# Altium PCB LimePSB-RPCM_1v3.PcbDoc (part 3 of 10) (continued)
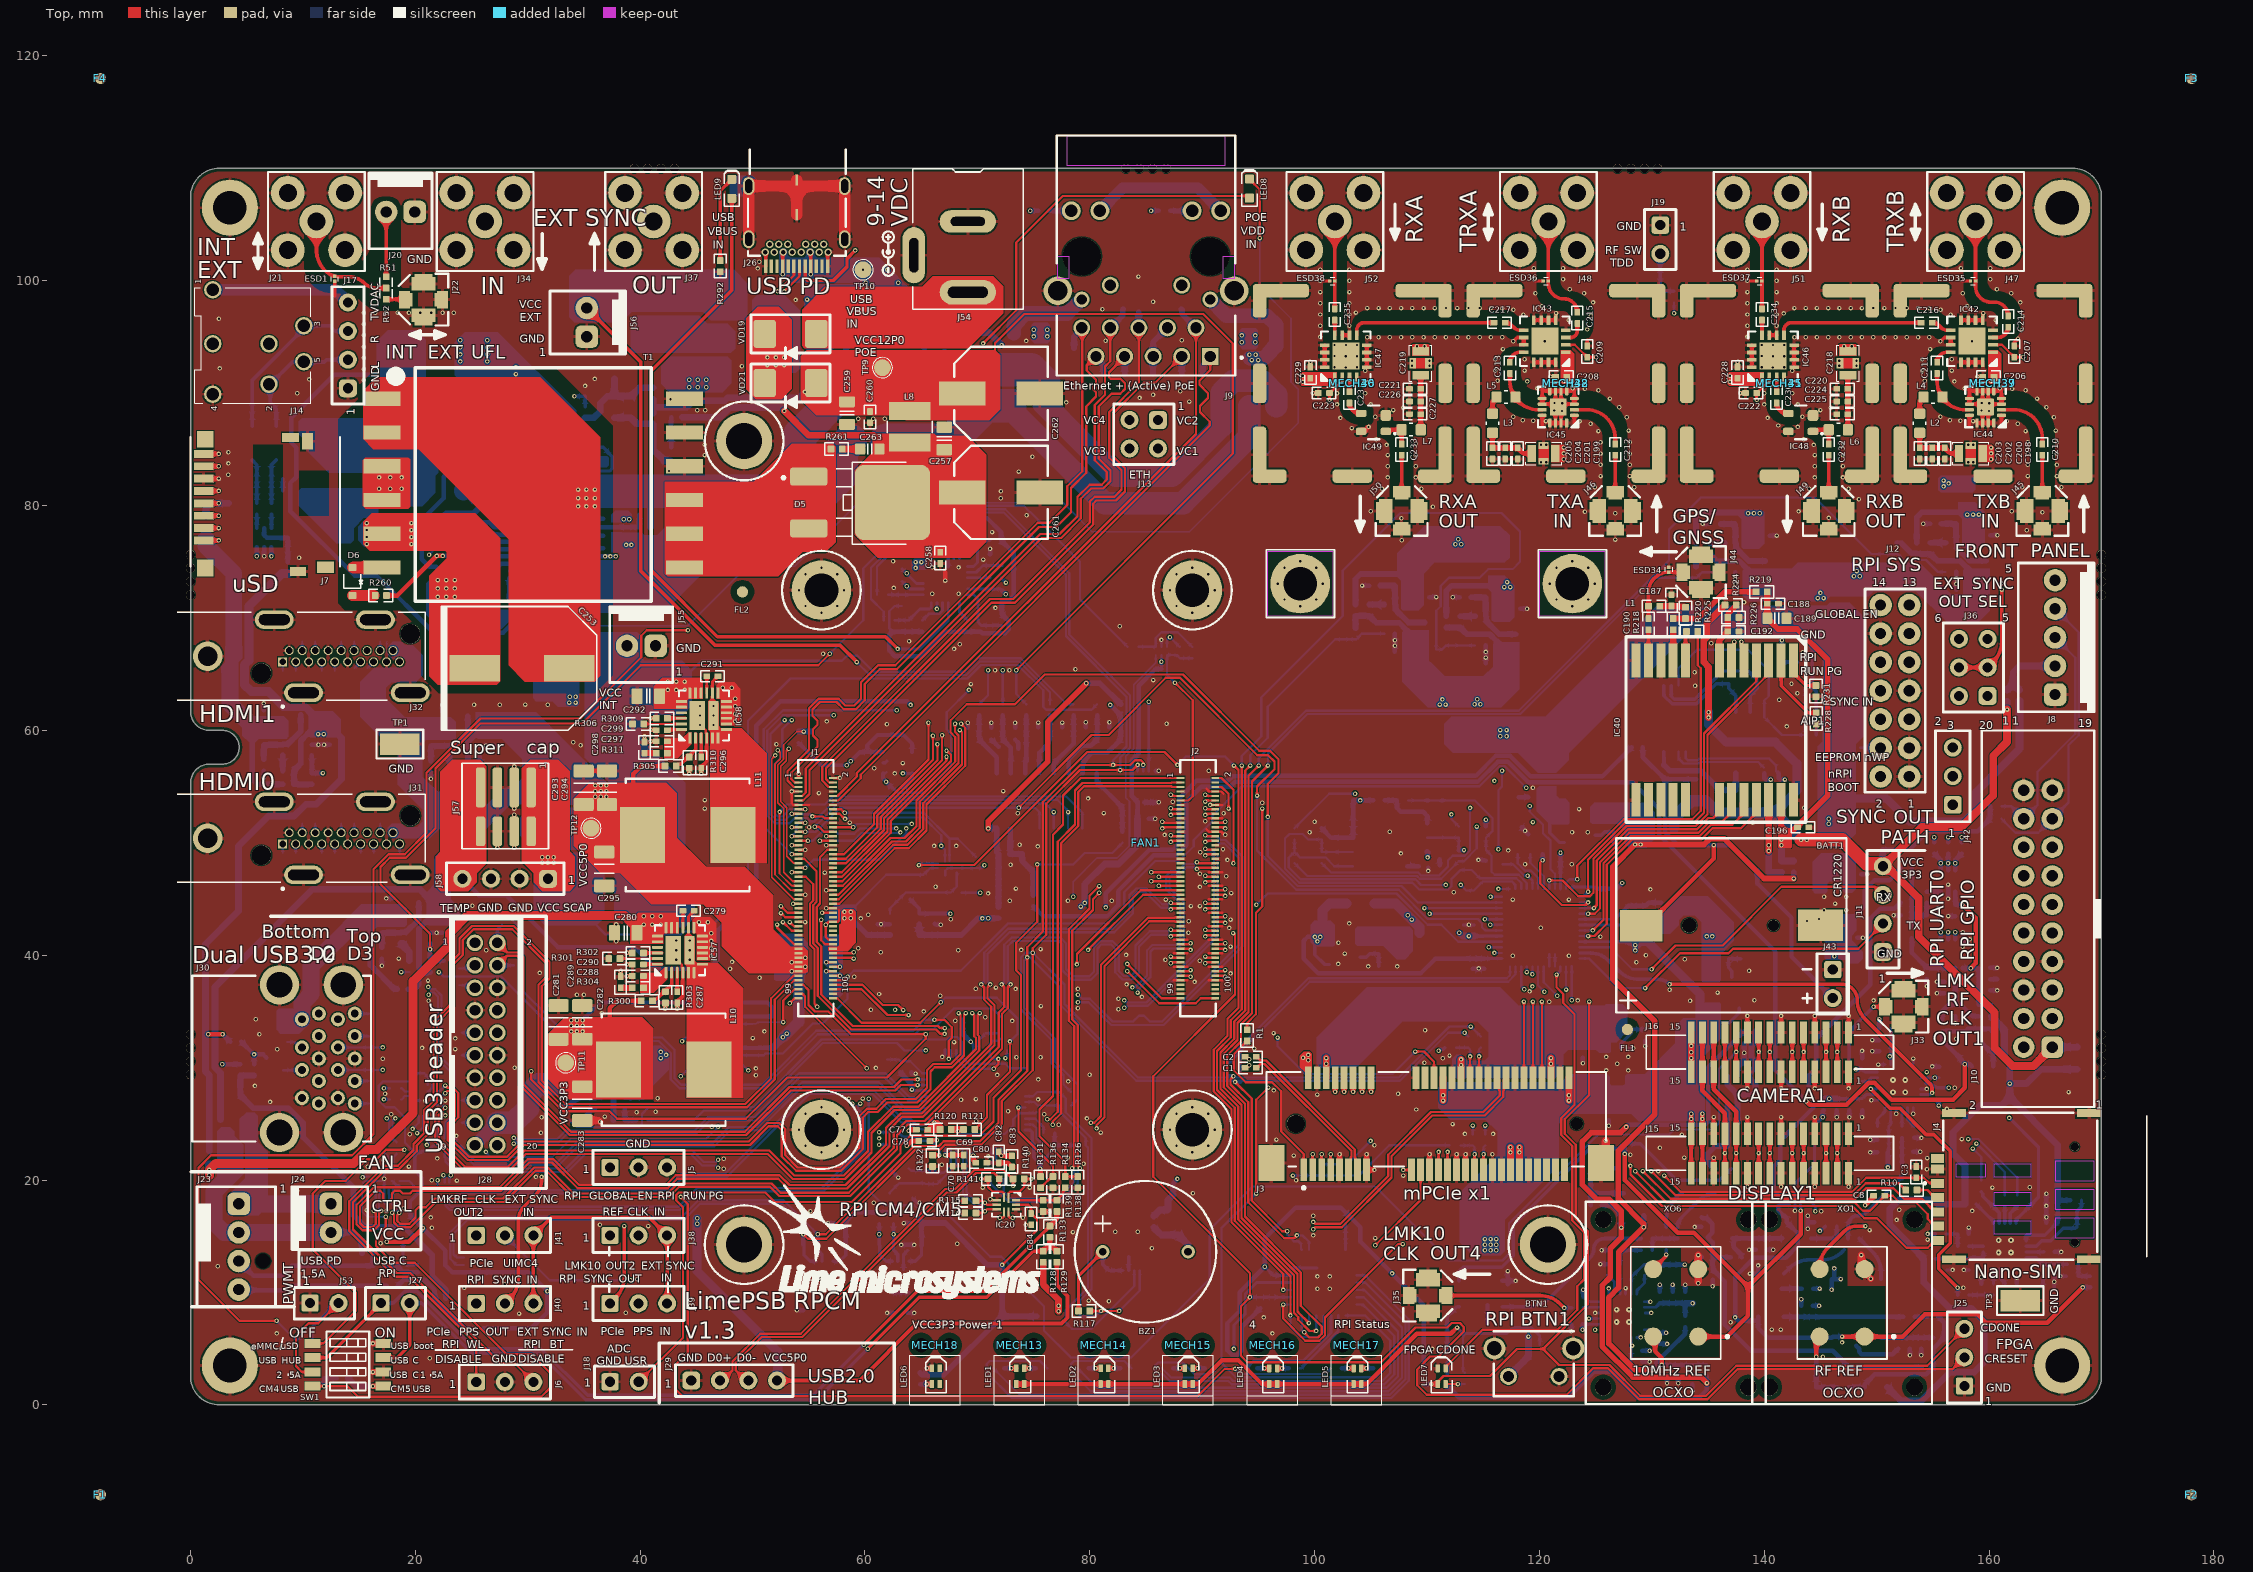
[diagram p0: Top view]
## Part data (continued)
IC21: library part 24FC64F, Case/Package=SOIC, Frequency=400kHz, Manufacturer=STMicroelectronics, Manufacturer Part Number 1=M24C02-RMN6TP, Max Operating Temperature=85°C, Max Supply Voltage=5.5V, Min Operating Temperature=-40°C, Min Supply Voltage=1.8V, Nominal Supply Current=800uA, Package Quantity=1, Supplier Part Number 1=497-8633-1-ND, Access Time=900ns, Access Time-Max=900ns, Assembly Info=NF, ComponentLink1Description=http://www.onsemi.com/pub/Collateral/CAT24C128-D.PDF, ComponentLink1URL=http://www.onsemi.com/pub/Collateral/CAT24C128-D.PDF, ComponentLink2Description=https://datasheet.ciiva.com/41455/001186000-da-01-en-ic-eeprom-2kbit-m24c02-rmn6tp-soic-8-stm-41455162.pdf?src-supplier=Conrad, ComponentLink2URL=https://datasheet.ciiva.com/41455/001186000-da-01-en-ic-eeprom-2kbit-m24c02-rmn6tp-soic-8-stm-41455162.pdf?src-supplier=Conrad, Contact Plating=Gold, Density=2Kb, Height=1.25mm, Interface=I2C,Serial,2-Wire, Lead Free="Lead Free", Length=4.9mm, Max Frequency=400kHz, Memory Size=2Kb, Memory Type=EEPROM, Mount="Surface Mount", Number of Pins=8, Organization=256X8, Packaging="Tape and Reel", Part Description="IC EEPROM 2KBIT I2C 400KHZ 8SOIC", Pricing 1="1=0,17000, 10=0,16400, 25=0,15200, 50=0,15140, 100=0,13440, 250=0,13272, 500=0,13070, 1000=0,12721 (USD)", Programming Voltage=5.5V, Radiation Hardening=No, Reach SVHC Compliant=Yes, RoHS=Yes, RoHS Compliant=Yes, Series=-, Stock 1=84403, Supplier 1=Digi-Key, Supply Current=800uA, Supply Voltage-Nom=5.5V, Width=3.9mm, Write Cycle Time-Max (tWC)=5ms, Write Protection=YES
IC22: library part M24128-DFMC6TG, Manufacturer=Microchip, Manufacturer Part Number 1=AT24C02C-MAHM-E, Supplier Part Number 1=AT24C02C-MAHM-ECT-ND, Assembly Info=NF, ComponentLink1Description=http://www.st.com/content/ccc/resource/technical/document/datasheet/59/05/c9/5b/7b/41/48/b6/CD00259167.pdf/files/CD00259167.pdf/jcr:content/translations/en.CD00259167.pdf, ComponentLink1URL=http://www.st.com/content/ccc/resource/technical/document/datasheet/59/05/c9/5b/7b/41/48/b6/CD00259167.pdf/files/CD00259167.pdf/jcr:content/translations/en.CD00259167.pdf, ComponentLink2Description=http://www.microchip.com/mymicrochip/filehandler.aspx?ddocname=en590438&src-supplier=Digi-Key, ComponentLink2URL=http://www.microchip.com/mymicrochip/filehandler.aspx?ddocname=en590438&src-supplier=Digi-Key, Part Description="IC EEPROM 2KBIT I2C 1MHZ 8UDFN", Pricing 1="1=0,28000 (USD)", RoHS=No, RoHS Compliant=No, Stock 1=14438, Supplier 1=Digi-Key
IC28 IC29: library part FUSB340TMX_USB_switch, Manufacturer="ON Semiconductor / Fairchild", Max Operating Temperature=85°C, Max Supply Voltage=5V, Min Operating Temperature=-40°C, Min Supply Voltage=1.5V, Nominal Supply Current=12uA, Supplier Part Number 1=FUSB340TMXCT-ND, ComponentLink1Description=http://www.farnell.com/datasheets/2313412.pdf?src-supplier=Farnell, ComponentLink1URL=http://www.farnell.com/datasheets/2313412.pdf?src-supplier=Farnell, ComponentLink2Description=http://www.farnell.com/datasheets/2313412.pdf?src-supplier=Newark, ComponentLink2URL=http://www.farnell.com/datasheets/2313412.pdf?src-supplier=Newark, ComponentLink3Description=https://datasheet.octopart.com/FUSB340TMX-ON-Semiconductor-datasheet-85553255.pdf?src-supplier=Farnell, ComponentLink3URL=https://datasheet.octopart.com/FUSB340TMX-ON-Semiconductor-datasheet-85553255.pdf?src-supplier=Farnell, ComponentLink4Description=https://datasheet.octopart.com/FUSB340TMX-ON-Semiconductor-datasheet-46935021.pdf?src-supplier=Future+Electronics, ComponentLink4URL=https://datasheet.octopart.com/FUSB340TMX-ON-Semiconductor-datasheet-46935021.pdf?src-supplier=Future+Electronics, ComponentLink5Description=https://www.fairchildsemi.com/Assets/-Featured-Collateral/Datasheet-Briefs/FUSB340_PB_Final.pdf?src-supplier=Avnet, ComponentLink5URL=https://www.fairchildsemi.com/Assets/-Featured-Collateral/Datasheet-Briefs/FUSB340_PB_Final.pdf?src-supplier=Avnet, Data Rate=10Gbps, Height=400um, Interface=USB, Manufacturer Part Number 1=FUSB340TMX, Mount="Surface Mount", Number of Pins=18, Number of Switches=4, Operating Supply Current=12uA, Packaging="Cut Tape", Part Description="USB Switch USB 3.1 USB Interface 18-TMLP (2x2.8)", Pricing 1="1=1,15, 10=1,026, 25=0,9744, 100=0,7481, 250=0,66108, 500=0,6263, 1000=0,48712, 2500=0,46277 (USD)", RoHS=Yes, RoHS Compliant=Yes, Series=-, Stock 1=7942, Supplier 1=Digikey, Weight=0.0065g
IC30 IC36: Frequency - Max=200MHz, Manufacturer="Texas Instruments", Manufacturer Part Number 1=LMK00105SQ/NOPB, Operating Temperature="-40°C ~ 85°C", Package / Case="24-WFQFN Exposed Pad", Supplier Device Package="24-WQFN (4x4)", Supplier Part Number 1=LMK00105SQ/NOPBCT-ND, Voltage - Supply="2.375 V ~ 3.45 V", Category="Integrated Circuits (ICs)", Differential - Input:Output=Yes/No, Input="HCSL, LVCMOS, LVDS, LVPECL, LVTTL, SSTL, Crystal", Part Description="IC CLK BUFFER 2:5 200MHZ 24WQFN", Supplier 1=Digi-Key, Type="Fanout Buffer (Distribution), Multiplexer, Translator"
IC31 IC37: library part LP5907, Case/Package=SOT-23-5, Dropout Voltage=50mV, Manufacturer="Texas Instruments", Manufacturer Part Number 1=LP5907QMFX-3.0Q1, Max Input Voltage=5.5V, Max Operating Temperature=125°C, Max Output Current=250mA, Min Input Voltage=2.2V, Min Operating Temperature=-40°C, Output Voltage=3V, Quiescent Current=425uA, Supplier Part Number 1=296-40364-1-ND, Accuracy=2%, Assembly Info=NF, ComponentLink1Description=https://datasheet.ciiva.com/48677/lp5907-q1-48677562.pdf?src-supplier=Avnet, ComponentLink1URL=https://datasheet.ciiva.com/48677/lp5907-q1-48677562.pdf?src-supplier=Avnet, Lead Free="Lead Free", Mount="Surface Mount", Number of Outputs=1, Number of Regulators=1, Output Current=250mA, Output Type=Fixed, Packaging="Tape and Reel", Part Description="Linear Voltage Regulator IC Positive Fixed 1 Output  250mA SOT-23-5", Polarity=Positive, Pricing 1="1 = 0,65000, 10 = 0,56000, 100 = 0,41820, 500 = 0,32858, 1000 = 0,25390 (USD)", Radiation Hardening=No, RoHS=Yes, Stock 1=90911, Supplier 1=Digi-Key
IC33: Manufacturer="Analog Devices Inc.", Manufacturer Part Number 1=AD5662BRJZ-2REEL7, Operating Temperature="-40°C ~ 125°C", Package / Case=SOT-23-8, Supplier Part Number 1=AD5662BRJZ-2REEL7CT-ND, Voltage - Supply, Analog="2.7 V ~ 5.5 V", Architecture="String DAC", Category="Integrated Circuits (ICs)", ComponentLink1Description=http://www.analog.com/media/en/technical-documentation/data-sheets/AD5662.pdf, ComponentLink1URL=http://www.analog.com/media/en/technical-documentation/data-sheets/AD5662.pdf, Data Interface="SPI, DSP", Differential Output=No, INL/DNL (LSB)="±8, ±1 (Max)", Number of Bits=16, Number of D/A Converters=1, Output Type="Voltage - Buffered", Packaging="Cut Tape (CT)", Part Description="IC DAC 16BIT BUFF V-OUT SOT23-8", Part Status=Active, Pricing 1="1=7.55, 10=6.821, 100=5.6469, 500=4.91722, 1000=4.28274 (USD)", Reference Type=External, RoHS="RoHS Compliant", Settling Time=10µs, Stock 1=2784, Supplier 1=Digi-Key, Supplier Device Package=SOT-23-8, Voltage - Supply, Digital="2.7 V ~ 5.5 V"
IC34: Manufacturer="Analog Devices Inc", Manufacturer Part Number 1=ADF4002BCPZ-RL7, Operating Temperature="-40°C ~ 85°C", Package / Case="20-VFQFN Exposed Pad, CSP", Supplier Part Number 1=ADF4002BCPZ-RL7CT-ND, Voltage - Supply="2.7 V ~ 3.3 V", Category="Integrated Circuits (ICs)", Differential - Input:Output=Yes/No, Input="CMOS, TTL", Mounting Type="Surface Mount", Part Description="IC PLL FREQUENCY SYNTH 20-LFCSP", Ratio - Input:Output=2:1, Supplier=Digi-Key, Supplier 1=Digi-Key, Type="Clock/Frequency Synthesizer (RF), Phase Detector"
IC35: "Single 8-Bit nanoDAC with SPI Interface in LFCSP and SC70, 2.7 to 5.5 V, <100 uA, -40 to +125 degC, KS-6, Pb-Free, Reel", Generic Part Number=AD5601, Manufacturer="Analog Devices", Supplier Part Number 1=AD5601BKSZ-REEL7TR-ND, # DAC Outputs=1, Assembly Info=NF, Code_JEDEC=MO-203-AB, ComponentLink1Description="Manufacturer URL", ComponentLink1URL=http://www.analog.com/en/index.html, ComponentLink2Description=Datasheet, ComponentLink2URL=http://www.analog.com/static/imported-files/data_sheets/AD5601_5611_5621.pdf, ComponentLink3Description="Package Specification", ComponentLink3URL=http://www.analog.com/static/imported-files/packages/PKG_PDF/SC70(KS)/KS_6.pdf, ComponentLink4Description="Product URL", ComponentLink4URL=http://www.analog.com/en/digital-to-analog-converters/da-converters/ad5601/products/product.html, DatasheetVersion=Rev.F, Manufacturer Part Number 1=AD5601BKSZ-REEL7, Max V+=5.5V, Mounting Technology="Surface Mount", Op Pwr Diss=550µW, PackageDescription="6-Lead Thin Shrink Small Outline Transistor Package [SC70]", PackageReference=KS-6, PackageVersion=072809-A, Packing=Reel, Part Description="IC DAC 8BIT BUFF V-OUT SC70-6", PartNumber=AD5601BKSZ-REEL7, Resolution (Bits)=8, RoHS=Y, Settling Time=6µs, Single Supply=Yes, Supplier 1=Digi-Key, Supplier 2=Digi-Key, Supplier 3=Digi-Key, Supplier 4=Farnell, Supplier 5=Newark, Supplier 6=Newark, Supplier 7=Mouser, Supplier Part Number 2=AD5601BKSZ-REEL7CT-ND, Supplier Part Number 3=AD5601BKSZ-REEL7DKR-ND, Supplier Part Number 4=2312971, Supplier Part Number 5=59K4256, Supplier Part Number 6=67W3160, Supplier Part Number 7=584-AD5601BKSZ-R7
IC38 IC41: Case/Package=SOT-23-6, Manufacturer="Texas Instruments", Manufacturer Part Number 1=SN74AXC1T45DBVR, Max Operating Temperature=125°C, Min Operating Temperature=-40°C, Supplier Part Number 1=296-47598-1-ND, Assembly Info=NF, Channel Type=Bidirectional, ComponentLink1Description=http://www.ti.com/lit/ds/symlink/sn74axc1t45.pdf?src-supplier=Digi-Key, ComponentLink1URL=http://www.ti.com/lit/ds/symlink/sn74axc1t45.pdf?src-supplier=Digi-Key, ComponentLink2Description=http://www.ti.com/general/docs/suppproductinfo.tsp?distId=10&amp;gotoUrl=http%3A%2F%2Fwww.ti.com%2Flit%2Fgpn%2Fsn74axc1t45&src-supplier=Digi-Key, ComponentLink2URL=http://www.ti.com/general/docs/suppproductinfo.tsp?distId=10&amp;gotoUrl=http%3A%2F%2Fwww.ti.com%2Flit%2Fgpn%2Fsn74axc1t45&src-supplier=Digi-Key, Data Rate=500Mbps, Mount="Surface Mount", Number of Bits=1, Number of Circuits=1, Packaging="Cut Tape", Part Description="Voltage Level Translator Bidirectional 1 Circuit 1 Channel 500Mbps SOT-23-6", Pricing 1="1=0,68000, 10=0,59800, 25=0,56200, 100=0,45860, 250=0,42596, 500=0,36252, 1000=0,29002 (USD)", RoHS=Yes, RoHS Compliant=Yes, Stock 1=116252, Supplier 1=Digi-Key
IC40: library part NEO-M8P_M8M, "GNSS engine for GPS/QZSS, GLONASS", Current - Receiving=21mA, Frequency=1.575GHz, Manufacturer=U-blox, Manufacturer Part Number 1=NEO-M8Q-0, Operating Temperature="-40°C ~ 85°C", Package / Case="24-SMD Module", Supplier Device Package=-, Supplier Part Number 1=672-1009-1-ND, Voltage - Supply="1.65 V ~ 3.6 V", Antenna Connector=-, Applications="General Purpose", Category="RF/IF and RFID", ComponentLink1Description=https://www.u-blox.com/en/product/neo-7-series, ComponentLink1URL=https://www.u-blox.com/en/product/neo-7-series, ComponentLink2Description=Datasheet, ComponentLink3Description=https://www.u-blox.com/sites/default/files/NEO-M8-FW3_DataSheet_(UBX-15031086).pdf, ComponentLink3URL=https://www.u-blox.com/sites/default/files/NEO-M8-FW3_DataSheet_(UBX-15031086).pdf, Data Interface="I2C, SPI, UART, USB", Data Rate (Max)=-, DatasheetVersion="R07 11-Nov-2014", Features=-, Memory Size=-, Modulation or Protocol="BeiDou, Galileo, GLONASS, GNSS, GPS", PackageDescription="NEO-7 series 12.2 x 16 x 2.4 mm", Packaging="Cut Tape (CT)", Part Description="IC RECEIVER GPS/GNSS 24LCC", Part Status=Active, Pricing 1="1=30.59, 10=26.65, 50=17.3, 100=13.169 (USD)", RoHS="RoHS Compliant", Sensitivity=-167dBm, Stock 1=444, Supplier 1=Digi-Key
IC42 IC43 IC46 IC47: library part SKY13286-359LF_RF_switch, Case/Package=QFN, Frequency=6GHz, Manufacturer="Skyworks Solutions", Manufacturer Part Number 1=SKY13286-359LF, Max Operating Temperature=95°C, Max Supply Voltage=5.5V, Min Frequency=100MHz, Min Operating Temperature=-40°C, Min Supply Voltage=2.7V, Operating Frequency="100 MHz to 6 GHz", Package Quantity=1, Supplier Part Number 1=863-1049-1-ND, ComponentLink1Description=https://datasheet.ciiva.com/15100/getdatasheetpartid-656005-15100455.pdf?src-supplier=Verical, ComponentLink1URL=https://datasheet.ciiva.com/15100/getdatasheetpartid-656005-15100455.pdf?src-supplier=Verical, ComponentLink2Description=https://datasheet.ciiva.com/12080/200570h-20342-12080171.pdf?src-supplier=Mouser, ComponentLink2URL=https://datasheet.ciiva.com/12080/200570h-20342-12080171.pdf?src-supplier=Mouser, Contact Plating=Tin,Matte, IIP3=46dBm, Impedance=50R, Insertion Loss=1.8dB, Max Frequency=6GHz, Mount="Surface Mount", Number of Pins=16, Number of Switches=3, P1dB=30dBm, Packaging="Tape and Reel", Part Description="RF Switch IC GSM, ISM, PCS, WCDMA SPDT 6 GHz 50Ohm 16-QFN (4x4)", Pricing 1="1=3,45000, 10=3,09600, 25=2,92720, 100=2,53700, 250=2,40684, 500=2,15966, 1000=1,95150 (USD)", Radiation Hardening=No, REACH SVHC=Unknown, RoHS=Yes, RoHS Compliant=Yes, Series=-, Stock 1=60609, Supplier 1=Digi-Key, Termination=SMD/SMT, Throw Configuration=SPDT, Turn-Off Delay Time=50ns, Turn-On Delay Time=50ns
IC44 IC45: library part TQP3M9018_PA, Manufacturer=Qorvo, Manufacturer Part Number 1=TQP3M9019, Supplier Part Number 1=772-TQP3M9019, Part Description="RF Amplifier .05-4GHz P1dB= 22dB Gain 26.4dB 5Volts", Pricing 1="1=7,48, 10=7,48, 50=5,43, 100=4,41, 1000=2,44, 10000=2,35 (USD)", RoHS=Yes, Stock 1=6804, Supplier 1=Mouser
IC48 IC49: library part SPF5043Z_RF_LNA, Manufacturer=Qorvo, Supplier Part Number 1=772-SPF5043Z, Manufacturer Part Number 1=SPF5043Z, Part Description="RF Amplifier .05-4GHz SSG 12.9dB NF .8dB GaAs", Pricing 1="1=3,68000, 10=3,68000, 50=2,67000, 100=2,17000, 1000=1,20000, 10000=1,06000 (USD)", RoHS=Yes, RoHS Compliant=Yes, Stock 1=151851, Supplier 1=Mouser
IC54: library part NCP1083_PoE_controller, Case/Package=TSSOP, Frequency=500kHz, Manufacturer="ON Semiconductor", Manufacturer Part Number=NCP1083DER2G, Max Operating Temperature=85°C, Max Power Dissipation=40W, Min Operating Temperature=-40°C, Nominal Supply Current=1.1A, Output Voltage=9V, Package Quantity=2500, Supplier Part Number 1=NCP1083DER2GOSCT-ND, ComponentLink1Description=https://datasheet.ciiva.com/9213/ncp1083-d-9213696.pdf?src-supplier=Avnet, ComponentLink1URL=https://datasheet.ciiva.com/9213/ncp1083-d-9213696.pdf?src-supplier=Avnet, ComponentLink2Description=https://datasheet.ciiva.com/1573/1441870-1573173.pdf?src-supplier=Farnell, ComponentLink2URL=https://datasheet.ciiva.com/1573/1441870-1573173.pdf?src-supplier=Farnell, ComponentLink3Description=https://datasheet.ciiva.com/1647/1441870-1647157.pdf?src-supplier=Newark, ComponentLink3URL=https://datasheet.ciiva.com/1647/1441870-1647157.pdf?src-supplier=Newark, ComponentLink4Description=https://datasheet.ciiva.com/1573/1441870-1573174.pdf?src-supplier=Farnell, ComponentLink4URL=https://datasheet.ciiva.com/1573/1441870-1573174.pdf?src-supplier=Farnell, ComponentLink5Description=https://datasheet.ciiva.com/16469/ncp1083-d-16469798.pdf?src-supplier=Future+Electronics, ComponentLink5URL=https://datasheet.ciiva.com/16469/ncp1083-d-16469798.pdf?src-supplier=Future+Electronics, ComponentLink6Description=https://datasheet.ciiva.com/1512/1441870-1512909.pdf?src-supplier=Element14, ComponentLink6URL=https://datasheet.ciiva.com/1512/1441870-1512909.pdf?src-supplier=Element14, Halogen Free="Halogen Free", Lead Free="Lead Free", Manufacturer Part Number 1=NCP1083DER2G, Max Duty Cycle=80%, Number of Channels=1, Number of Outputs=1, Number of Pins=20, Output Current=1.1A, Packaging="Tape and Reel", Part Description="Power Over Ethernet Controller 1 Channel 802.3at (PoE+), 802.3af (PoE) 20-TSSOP-EP", Pricing 1="1=4,10000, 10=3,68200, 25=3,48120, 100=3,01700, 250=2,86228, 500=2,56832, 1000=2,16605 (USD)", Radiation Hardening=No, REACH SVHC="No SVHC", RoHS=Yes, RoHS Compliant=Yes, Series=-, Stock 1=12659, Supplier 1=Digi-Key, Supply Current=1.1A, Switching Frequency=500kHz, Topology=Flyback
IC55: library part IRF9358TRPBF_DUAL_NMOS, Case/Package=SOIC, Continuous Drain Current (ID)=9.2A, Drain to Source Breakdown Voltage=-30V, Drain to Source Resistance=23.8mR, Drain to Source Voltage (Vdss)=30V, Gate to Source Voltage (Vgs)=20V, Input Capacitance=1.74nF, Manufacturer="International Rectifier", Max Operating Temperature=150°C, Max Power Dissipation=2W, Min Operating Temperature=-55°C, Package Quantity=1, Supplier Part Number 1=IRF9358TRPBFDKR-ND, ComponentLink1Description=https://datasheet.ciiva.com/7798/irf9358pbf-7798959.pdf?src-supplier=Element14, ComponentLink1URL=https://datasheet.ciiva.com/7798/irf9358pbf-7798959.pdf?src-supplier=Element14, ComponentLink2Description=https://datasheet.ciiva.com/929/irf9358pbf-929243.pdf?src-supplier=Digi-Key, ComponentLink2URL=https://datasheet.ciiva.com/929/irf9358pbf-929243.pdf?src-supplier=Digi-Key, ComponentLink3Description=https://datasheet.ciiva.com/929/irf9358pbf-929244.pdf?src-supplier=Digi-Key, ComponentLink3URL=https://datasheet.ciiva.com/929/irf9358pbf-929244.pdf?src-supplier=Digi-Key, ComponentLink4Description=https://datasheet.ciiva.com/929/irf9358pbf-929245.pdf?src-supplier=Digi-Key, ComponentLink4URL=https://datasheet.ciiva.com/929/irf9358pbf-929245.pdf?src-supplier=Digi-Key, Element Configuration=Dual, Fall Time=69ns, Height=1.5mm, Length=5mm, Manufacturer Part Number 1=IRF9358TRPBF, Mount="Surface Mount", Nominal Vgs=-1.8V, Number of Pins=8, Packaging="Tape and Reel", Part Description="Mosfet Array 2 P-Channel (Dual) 30V 9.2A 2W Surface Mount 8-SO", Power Dissipation=2W, Radiation Hardening=No, Rds On Max=16.3mR, REACH SVHC="No SVHC", Rise Time=7.2ns, RoHS=Yes, Stock 1=0, Supplier 1=Digi-Key, Turn-Off Delay Time=146ns, Turn-On Delay Time=5.7ns, Width=4mm
IC56: library part USB_POWER_DISTR_CYPD3177-24LQXQT, Manufacturer=Cypress, Supplier Part Number 1=428-CYPD3177-24LQXQTCT-ND, Manufacturer Part Number 1=CYPD3177-24LQXQT, Part Description=428-CYPD3177-24LQXQTCT-ND, Pricing 1="1=2,31000, 10=2,07900, 25=1,96080, 100=1,67080, 250=1,56880, 500=1,37270, 1000=1,13738 (USD)", RoHS=No, Stock 1=19489, Supplier 1=Digi-Key
IC57: Current - Output=6A, Frequency - Switching="200kHz ~ 1.4MHz", Manufacturer="Analog Devices Inc.", Manufacturer Part Number=ADP2386ACPZN-R7, Operating Temperature="-40°C ~ 125°C (TJ)", Package / Case="24-WFQFN Exposed Pad, CSP", Supplier Device Package 1="24-LFCSP-WQ (4x4)", Supplier Part Number 1=ADP2386ACPZN-R7DKR-ND, Voltage - Input (Max)=20V, Voltage - Input (Min)=4.5V, Voltage - Output (Max)=18V, Voltage - Output (Min/Fixed)=0.6V, Category="Integrated Circuits (ICs)", Function=Step-Down, Manufacturer Part Number 1=ADP2386ACPZN-R7, Mounting Type="Surface Mount", Number of Outputs=1, Output Configuration=Positive, Output Type=Adjustable, Packaging=Digi-Reel®, Part Description="IC REG BUCK ADJ 6A SYNC 24LFCSP", RoHS="RoHS Compliant", Supplier 1=Digi-Key, Synchronous Rectifier=Yes, Topology=Buck
IC58: Current - Output=6A, Frequency - Switching="200kHz ~ 1.4MHz", Manufacturer="Analog Devices Inc.", Manufacturer Part Number 1=ADP2386ACPZN-R7, Operating Temperature="-40°C ~ 125°C (TJ)", Package / Case="24-WFQFN Exposed Pad, CSP", Supplier Device Package="24-LFCSP-WQ (4x4)", Supplier Part Number 1=ADP2386ACPZN-R7DKR-ND, Voltage - Input (Max)=20V, Voltage - Input (Min)=4.5V, Voltage - Output (Max)=18V, Voltage - Output (Min/Fixed)=0.6V, Category="Integrated Circuits (ICs)", Function=Step-Down, Mounting Type="Surface Mount", Number of Outputs=1, Output Configuration=Positive, Output Type=Adjustable, Packaging=Digi-Reel®, Part Description="Buck Switching Regulator IC Positive Adjustable 0.6V 1 Output 6A 24-WFQFN Exposed Pad, CSP", RoHS="RoHS Compliant", Supplier 1=Digi-Key, Synchronous Rectifier=Yes, Topology=Buck
IC59 IC60 IC61 IC63 IC64: library part AP7361, Current - Limit (Min)=1.1A, Current - Output=1A, Manufacturer="Diodes Incorporated", Manufacturer Part Number 1=AP7361-FGE-7, Operating Temperature="-40°C ~ 85°C", Package / Case="8-UDFN Exposed Pad", Supplier Device Package=U-DFN3030-8, Supplier Part Number 1=AP7361-FGE-7DICT-ND, Voltage - Dropout (Typical)="0.5V @ 1A", Voltage - Input="2.2 V ~ 6 V", Voltage - Output="0.8 V ~ 5.5 V", Category="Integrated Circuits (ICs)", Mounting Type="Surface Mount", Number of Regulators=1, Packaging="Cut Tape (CT)", Part Description="IC REG LDO ADJ 1A 8DFN", Regulator Topology="Positive Adjustable", RoHS="RoHS Compliant", Supplier 1=Digi-Key
IC62: library part VOLTAGE_REFERENCE_UNIVERSAL, Case/Package=TO-236-3, Cathode Current=1mA, Manufacturer=Diodes, Manufacturer Part Number 1=AS431ANTR-G1, Max Input Voltage=36V, Max Operating Temperature=125°C, Max Output Current=100mA, Min Operating Temperature=-40°C, Min Output Voltage=2.5V, Package Quantity=3000, Supplier Part Number 1=AS431ANTR-G1DICT-ND, Temperature Coefficient=20ppm/°C, Tolerance=0.5%, ComponentLink1Description=https://datasheet.ciiva.com/1177/1643148-1177233.pdf?src-supplier=Avnet, ComponentLink1URL=https://datasheet.ciiva.com/1177/1643148-1177233.pdf?src-supplier=Avnet, ComponentLink2Description=https://datasheet.ciiva.com/30002/as431-30002029.pdf?src-supplier=Avnet, ComponentLink2URL=https://datasheet.ciiva.com/30002/as431-30002029.pdf?src-supplier=Avnet, ComponentLink3Description=https://datasheet.ciiva.com/29572/as431-29572149.pdf?src-supplier=Digi-Key, ComponentLink3URL=https://datasheet.ciiva.com/29572/as431-29572149.pdf?src-supplier=Digi-Key, ComponentLink4Description=https://datasheet.ciiva.com/29572/as431-29572150.pdf?src-supplier=Digi-Key, ComponentLink4URL=https://datasheet.ciiva.com/29572/as431-29572150.pdf?src-supplier=Digi-Key, Max Output Voltage=36V, Mount="Surface Mount", Number of Pins=3, Output Current=100mA, Output Type=Adjustable, Output Voltage=36V, Packaging="Tape and Reel", Part Description="Shunt Voltage Reference IC Adjustable 2.5V 36 VV ±0.5% 100 mA SOT-23-3", Pricing 1="1=0,36000, 10=0,27000, 25=0,23600, 100=0,15270, 250=0,12640, 500=0,10112, 1000=0,07753 (USD)", Radiation Hardening=No, Reference Type=Shunt, RoHS=Yes, RoHS Compliant=Yes, Stock 1=792556, Supplier 1=Digi-Key
J1: library part cm4_misc_GPIO, Manufacturer="Amphenol ICC / FCI", Manufacturer Part Number 1=10164227-1001A1RLF, Supplier Part Number 1=649-01642271001A1RLF, ComponentLink1Description=https://datasheet.ciiva.com/13559/ed-df40-20140305-13559540.pdf?src-supplier=Mouser, ComponentLink1URL=https://datasheet.ciiva.com/13559/ed-df40-20140305-13559540.pdf?src-supplier=Mouser, ComponentLink2Description=https://datasheet.ciiva.com/18562/ed-df40-20140305-18562462.pdf?src-supplier=Digi-Key, ComponentLink2URL=https://datasheet.ciiva.com/18562/ed-df40-20140305-18562462.pdf?src-supplier=Digi-Key, ComponentLink3Description=https://datasheet.ciiva.com/26948/getdatasheetpartid-441624-26948933.pdf?src-supplier=Verical, ComponentLink3URL=https://datasheet.ciiva.com/26948/getdatasheetpartid-441624-26948933.pdf?src-supplier=Verical, ComponentLink4Description=https://datasheet.ciiva.com/46408/1824826-46408894.pdf?src-supplier=Element14, ComponentLink4URL=https://datasheet.ciiva.com/46408/1824826-46408894.pdf?src-supplier=Element14, Part Description="100 Position Connector Receptacle, Center Strip Contacts Surface Mount Gold", Pricing 1="1=1,67, 10=1,37, 50=1,37, 100=1,18, 1000=0,92, 10000=0,804 (USD)", RoHS=No, Stock 1=2838, Supplier 1=Mouser
J2: library part cm4_high_speed, Manufacturer="Amphenol ICC / FCI", Manufacturer Part Number 1=10164227-1001A1RLF, Supplier Part Number 1=649-01642271001A1RLF, ComponentLink1Description=https://datasheet.ciiva.com/13559/ed-df40-20140305-13559540.pdf?src-supplier=Mouser, ComponentLink1URL=https://datasheet.ciiva.com/13559/ed-df40-20140305-13559540.pdf?src-supplier=Mouser, ComponentLink2Description=https://datasheet.ciiva.com/18562/ed-df40-20140305-18562462.pdf?src-supplier=Digi-Key, ComponentLink2URL=https://datasheet.ciiva.com/18562/ed-df40-20140305-18562462.pdf?src-supplier=Digi-Key, ComponentLink3Description=https://datasheet.ciiva.com/26948/getdatasheetpartid-441624-26948933.pdf?src-supplier=Verical, ComponentLink3URL=https://datasheet.ciiva.com/26948/getdatasheetpartid-441624-26948933.pdf?src-supplier=Verical, ComponentLink4Description=https://datasheet.ciiva.com/46408/1824826-46408894.pdf?src-supplier=Element14, ComponentLink4URL=https://datasheet.ciiva.com/46408/1824826-46408894.pdf?src-supplier=Element14, Pricing 1="1=1,67, 10=1,37, 50=1,37, 100=1,18, 1000=0,92, 10000=0,804 (USD)", RoHS=No, Stock 1=2838, Supplier 1=Mouser
J3: library part MINI_PCIE_FEMALE, "CONN PCI EXP MINI FEMALE 52POS", Manufacturer="JAE Electronics", Manufacturer Part Number 1=MM60-52B1-G1-R850, Supplier Part Number 1=670-2516-1-ND, ComponentLink1Description=https://www.mouser.com/ds/2/418/NG_DS_8-1773459-7_EXPRESS_MINI_CARD_QRG_0816-907003.pdf?src-supplier=Mouser, ComponentLink1URL=https://www.mouser.com/ds/2/418/NG_DS_8-1773459-7_EXPRESS_MINI_CARD_QRG_0816-907003.pdf?src-supplier=Mouser, ComponentLink2Description=http://www.farnell.com/datasheets/2645681.pdf?src-supplier=Newark, ComponentLink2URL=http://www.farnell.com/datasheets/2645681.pdf?src-supplier=Newark, ComponentLink3Description=https://www.te.com/commerce/DocumentDelivery/DDEController?Action=srchrtrv&DocNm=108-99102&DocType=SS&DocLang=EN&src-supplier=Digi-Key, ComponentLink3URL=https://www.te.com/commerce/DocumentDelivery/DDEController?Action=srchrtrv&DocNm=108-99102&DocType=SS&DocLang=EN&src-supplier=Digi-Key, ComponentLink4Description=https://www.te.com/commerce/DocumentDelivery/DDEController?Action=srchrtrv&amp;DocNm=108-99102&amp;DocType=SS&amp;DocLang=EN&src-supplier=Digi-Key, ComponentLink4URL=https://www.te.com/commerce/DocumentDelivery/DDEController?Action=srchrtrv&amp;DocNm=108-99102&amp;DocType=SS&amp;DocLang=EN&src-supplier=Digi-Key, ComponentLink5Description=http://www.te.com/commerce/DocumentDelivery/DDEController?Action=showdoc&DocId=Customer+Drawing%7F2041262%7FC%7Fpdf%7FEnglish%7FENG_CD_2041262_C.pdf&src-supplier=Avnet, ComponentLink5URL=http://www.te.com/commerce/DocumentDelivery/DDEController?Action=showdoc&DocId=Customer+Drawing%7F2041262%7FC%7Fpdf%7FEnglish%7FENG_CD_2041262_C.pdf&src-supplier=Avnet, ComponentLink6Description=http://www.te.com/commerce/DocumentDelivery/DDEController?Action=srchrtrv&DocNm=2041262&DocType=Customer+Drawing&DocLang=English&src-supplier=Digi-Key, ComponentLink6URL=http://www.te.com/commerce/DocumentDelivery/DDEController?Action=srchrtrv&DocNm=2041262&DocType=Customer+Drawing&DocLang=English&src-supplier=Digi-Key, ComponentLink7Description=https://datasheet.ciiva.com/417/sj110634-417626.pdf?src-supplier=Digi-Key, ComponentLink7URL=https://datasheet.ciiva.com/417/sj110634-417626.pdf?src-supplier=Digi-Key, ComponentLink8Description=https://datasheet.ciiva.com/417/sj110634-417627.pdf?src-supplier=Digi-Key, ComponentLink8URL=https://datasheet.ciiva.com/417/sj110634-417627.pdf?src-supplier=Digi-Key, ComponentLink9Description=https://datasheet.ciiva.com/417/sj110634-417628.pdf?src-supplier=Digi-Key, ComponentLink9URL=https://datasheet.ciiva.com/417/sj110634-417628.pdf?src-supplier=Digi-Key, ComponentLink10Description=https://datasheet.ciiva.com/14644/70040279-14644764.pdf?src-supplier=Allied+Electronics, ComponentLink10URL=https://datasheet.ciiva.com/14644/70040279-14644764.pdf?src-supplier=Allied+Electronics, Part Description="52 Position Female Connector PCI Express Mini Card Gold 0.031\" (0.80mm)", Pricing 1="1=1,45000, 10=1,26500, 25=1,21120, 50=1,18440, 100=1,13060, 250=1,02292 (USD)", RoHS=Yes, Stock 1=30104, Supplier 1=Digi-Key
J4: library part nano_SIM_SIM8066-6-1-14-01-A, Manufacturer="Global Connector Technology", Manufacturer Part Number 1=SIM8066-6-1-14-01-A, Supplier Part Number 1=3772948, Part Description="7 (6 + 1) Position Card Connector NANO SIM Surface Mount, Right Angle Gold", Pricing 1="1500=1,00000, 7500=0,93000, 15000=0,86600, 30000=0,81900 (EUR)", RoHS=No, Stock 1=1500, Supplier 1=Farnell
J5 J6 J25 J38 J39 J40 J41 J42: library part Header3P, "Header, 3-pin", Color=Black, Manufacturer="Wurth Electronics", Manufacturer Part Number=61300311121, Supplier Part Number 1=732-5316-ND, ComponentLink1Description=http://www.farnell.com/cad/1737268.pdf?src-supplier=Element14, ComponentLink1URL=http://www.farnell.com/cad/1737268.pdf?src-supplier=Element14, ComponentLink2Description=https://katalog.we-online.de/em/datasheet/6130xx11121.pdf?src-supplier=Digi-Key, ComponentLink2URL=https://katalog.we-online.de/em/datasheet/6130xx11121.pdf?src-supplier=Digi-Key, Connector Type="Male Pin", Contact Material=Copper, Contact Mating Length=0.236inch, Contact Plating=Gold, Gender=Male, Lead Free="Lead Free", Manufacturer 1="Wurth Electronics", Manufacturer Part Number 1=61300311121, Mount="Through Hole", Number of Contacts=3, Number of Positions=3, Number of Rows=1, Packaging=Bulk, Part Description="Connector Header Through Hole 3 position 0.100\" (2.54mm)", Pitch=0.1inch, Pricing 1="1=0,13000, 10=0,11300, 25=0,09400, 50=0,07900, 100=0,07100, 1000=0,06600 (USD)", REACH SVHC=Unknown, RoHS=Yes, RoHS Compliant=Yes, Stock 1=95926, Supplier 1=Digi-Key, Termination=Solder
  J5 J6 J25: Assembly Info=NF
J7: library part MICRO_SD_114-00841-68, Manufacturer="Amphenol Commercial Products", Manufacturer Part Number 1=114-00841-68, Supplier Part Number 1=114-00841-68-1-ND, Card Type="Secure Digital - microSD™", Category="Connectors, Interconnects", ComponentLink1Description=https://www.amphenolcanada.com/ProductSearch/drawings/AC/1140084168.pdf, ComponentLink1URL=https://www.amphenolcanada.com/ProductSearch/drawings/AC/1140084168.pdf, Connector Type=Connector, Contact Finish=Gold, Contact Finish Thickness="15.0µin (0.38µm)", Ejector Side=-, Features=Switch, Height Above Board="0.061\" (1.55mm)", Insertion, Removal Method="Push In, Pull Out", Mounting Feature="Normal, Standard - Top", Mounting Type="Surface Mount, Right Angle", Number of Positions="10 (8 + 2)", Packaging="Cut Tape (CT)", Part Description="10 (8 + 2) Position Card Connector Secure Digital - microSD™ Surface Mount, Right Angle Gold", Part Status=Active, Pricing 1="1=1.5, 10=1.358, 25=1.2752, 50=1.2196, 100=1.1642, 250=1.05336, 500=0.9702 (USD)", RoHS="RoHS Compliant", Stock 1=5866, Supplier 1=Digi-Key
J8: library part "Header 5X1 LOCK", Manufacturer=Molex, Manufacturer Part Number=0022112052, Supplier Part Number 1=WM2703-ND, ComponentLink1Description=https://www.molex.com/pdm_docs/sd/022112052_sd.pdf?src-supplier=Digi-Key, ComponentLink1URL=https://www.molex.com/pdm_docs/sd/022112052_sd.pdf?src-supplier=Digi-Key, Manufacturer 1=Molex, Manufacturer Part Number 1=0022112052, Part Description="Connector Header Through Hole 5 position 0.100\" (2.54mm)", Pricing 1="1=1,01000, 10=0,83600, 100=0,69690, 1000=0,55752, 5000=0,48783, 10000=0,46344 (USD)", RoHS=Yes, Stock 1=17764, Supplier 1=Digi-Key
J9: library part RJ45_ETHERNET_MAG_A70-112-331N126, "MagJack A70-112-331N126 or LINK-PP LPJG0926HENL", Manufacturer=Link-PP, Manufacturer Part Number 1=LPJG0926HENL, Part Description="A70-112-331N126 Tab Down Ethernet Magnetic RJ45 Connector LPJG0926HENL With POE +", Supplier 1=Link-PP, Supplier Part Number 1=LPJG0926HENL
J10: "Header, 10-Pin, Dual row", Color=Black, Manufacturer="On-Shore Technology", Manufacturer Part Number 1=302-S201, Supplier Part Number 1=ED10524-ND, ComponentLink1Description=https://datasheet.ciiva.com/712/901301108-sd-712105.pdf?src-supplier=Digi-Key, ComponentLink1URL=https://datasheet.ciiva.com/712/901301108-sd-712105.pdf?src-supplier=Digi-Key, ComponentLink2Description=https://datasheet.ciiva.com/5153/0901301220-pcb-headers-151695-5153154.pdf?src-supplier=Mouser, ComponentLink2URL=https://datasheet.ciiva.com/5153/0901301220-pcb-headers-151695-5153154.pdf?src-supplier=Mouser, ComponentLink3Description=https://datasheet.ciiva.com/11747/0900766b8002f27a-11747298.pdf?src-supplier=RSComponents, ComponentLink3URL=https://datasheet.ciiva.com/11747/0900766b8002f27a-11747298.pdf?src-supplier=RSComponents, ComponentLink4Description=https://datasheet.ciiva.com/30106/205030901301220-pcb-headers-30106975.pdf?src-supplier=Onlinecomponents.com, ComponentLink4URL=https://datasheet.ciiva.com/30106/205030901301220-pcb-headers-30106975.pdf?src-supplier=Onlinecomponents.com, ComponentLink5Description=https://datasheet.ciiva.com/10076/0901301220-pcb-headers-10076926.pdf?src-supplier=Avnet, ComponentLink5URL=https://datasheet.ciiva.com/10076/0901301220-pcb-headers-10076926.pdf?src-supplier=Avnet, ComponentLink6Description=https://datasheet.ciiva.com/742/302-sxxx-742190.pdf?src-supplier=Digi-Key, ComponentLink6URL=https://datasheet.ciiva.com/742/302-sxxx-742190.pdf?src-supplier=Digi-Key, Connector Type="Male Pin", Contact Plating=Gold, Contact Type="Male Pin", Mount="Through Hole", Number of Positions=20, Number of Rows=2, Packaging=Tray, Part Description="Connector Header Through Hole 20 position 0.100\" (2.54mm)", Pitch=0.1inch, Pricing 1="1=0,48000, 10=0,40700, 160=0,31675, 480=0,27148, 960=0,22624, 4960=0,19392, 10080=0,18099 (USD)", RoHS=Yes, RoHS Compliant=Yes, Row Spacing=0.1inch, Series=302, Stock 1=302635, Supplier 1=Digi-Key, Termination=Solder
J11 J17 J29 J58: library part Header4P, "Header, 4-pin", Current Rating=3A, Insulation Color=Black, Manufacturer="Wurth Electronics Inc.", Manufacturer Part Number 1=61300411121, Material Flammability Rating="UL94 V-0", Operating Temperature="-40°C ~ 125°C", Supplier Part Number 1=732-5317-ND, Voltage Rating=250V, Applications=-, Assembly Info=NF, Category="Connectors, Interconnects", ComponentLink1Description=http://katalog.we-online.de/em/datasheet/6130xx11121.pdf, ComponentLink1URL=http://katalog.we-online.de/em/datasheet/6130xx11121.pdf, Connector Type=Header, Contact Finish - Mating=Gold, Contact Finish - Post=-, Contact Finish Thickness - Mating=-, Contact Finish Thickness - Post=-, Contact Length - Mating="0.236\" (6.00mm)", Contact Length - Post="0.118\" (3.00mm)", Contact Material="Copper Alloy", Contact Shape=Square, Contact Type="Male Pin", Fastening Type=Push-Pull, Features=-, Ingress Protection=-, Insulation Height="0.100\" (2.54mm)", Insulation Material="Polybutylene Terephthalate (PBT)", Mated Stacking Heights=-, Mounting Type="Through Hole", Number of Positions=4, Number of Positions Loaded=All, Number of Rows=1, Overall Contact Length="0.454\" (11.54mm)", Packaging=Bulk, Part Description="4 Positions Header Connector 0.100\" (2.54mm) Through Hole Gold", Part Status=Active, Pitch - Mating="0.100\" (2.54mm)", Pricing 1="1=0.18, 10=0.153, 25=0.1272, 50=0.106, 100=0.096, 1000=0.088 (USD)", RoHS="RoHS Compliant", Row Spacing - Mating=-, Shrouding=Unshrouded, Stock 1=25204, Style="Board to Board or Cable", Supplier 1=Digi-Key, Termination=Solder
J12: "Header, 7-Pin, Dual row", Manufacturer="Adam Equipment", Manufacturer Part Number=PH2-14-UA, Supplier Part Number 1=2057-PH2-14-UA-ND, ComponentLink1Description=https://datasheet.ciiva.com/16397/ph2-14-ua-16397187.pdf?src-supplier=Future+Electronics, ComponentLink1URL=https://datasheet.ciiva.com/16397/ph2-14-ua-16397187.pdf?src-supplier=Future+Electronics, Lead Free="Lead Free", Manufacturer 1="Adam Equipment", Manufacturer Part Number 1=PH2-14-UA, Number of Positions=14, Part Description="Connector Header Through Hole 14 position 0.100\" (2.54mm)", Pitch=2.54mm, Pricing 1="1=0,24000, 10=0,19900, 100=0,15340, 500=0,12976, 1000=0,10617, 5000=0,09437, 10000=0,08553 (USD)", RoHS=Yes, Stock 1=11861, Supplier 1=Digi-Key, Termination=Solder
J13: "Header, 2-Pin, Dual row", Manufacturer="Adam Equipment", Manufacturer Part Number=PH2-04-UA, Supplier Part Number 1=2057-PH2-04-UA-ND, Assembly Info=NF, ComponentLink1Description=https://datasheet.ciiva.com/16476/catpg250-254-16476106.pdf?src-supplier=Future+Electronics, ComponentLink1URL=https://datasheet.ciiva.com/16476/catpg250-254-16476106.pdf?src-supplier=Future+Electronics, Lead Free="Lead Free", Manufacturer 1="Adam Equipment", Manufacturer Part Number 1=PH2-04-UA, Number of Positions=4, Packaging=Box, Part Description="Connector Header Through Hole 4 position 0.100\" (2.54mm)", Pitch=2.54mm, Pricing 1="1=0,10000, 10=0,06900, 100=0,05120, 500=0,04234, 1000=0,03704, 5000=0,03175, 10000=0,03087 (USD)", RoHS=Yes, Stock 1=10153, Supplier 1=Digi-Key, Termination=Solder
J14: library part AUDIO_JACK_3mm5_SJ-4351X, Body Color=Black, Current Rating=1A, Insulation Color=-, Manufacturer="CUI Inc.", Manufacturer Part Number 1=SJ-43515TS, Operating Temperature="-20°C ~ 85°C", Supplier Part Number 1=CP-43515TS-ND, Voltage - Rated=12VDC, Actual Diameter="0.142\" (3.60mm)", Body Material=-, Cable Opening=-, Category="Connectors, Interconnects", ComponentLink1Description=http://www.cui.com/product/resource/digikeypdf/sj-4351x.pdf, ComponentLink1URL=http://www.cui.com/product/resource/digikeypdf/sj-4351x.pdf, Connector Type="Phone Jack", Contact Material="Brass, Copper Alloy, Phosphor Bronze", Contact Material - Plating=Gold, Features=-, Gender=Female, Housing Material="Polyamide (PA66), Nylon 6/6", Includes=-, Industry Recognized Mating Diameter="3.50mm (0.141\", 1/8\", Mini Plug) - Headphone", Internal Switch(s)="Single Switch", Mating Length/Depth="0.551\" (14.00mm)", Mounting Type="Through Hole, Right Angle", Number of Positions/Contacts="4 Conductors, 5 Contacts", Packaging=Bulk, Panel Hole Size=-, Part Description="CONN JACK 4COND 3.5MM R/A", Part Status=Active, Pricing 1="1=1.04, 10=0.91, 25=0.8568, 50=0.8212, 100=0.7854, 250=0.714, 500=0.6426, 1000=0.5712, 2500=0.51765 (USD)", RoHS="RoHS Compliant", Shielding=Unshielded, Signal Lines=Multiple, Stock 1=62424, Supplier 1=Digi-Key, Termination=Solder, Thread Size=-
J15 J16: library part FPC_CONNECTOR_15pin_1-1734248-5, Contact Current Rating=1A, Flammability Rating="UL94 V-0", Housing Colour=Black, Manufacturer="TE Connectivity", Manufacturer Part Number 1=1-1734248-5, Max Operating Temperature=185°C, Min Operating Temperature=-4°C, Package Quantity=1000, Supplier Part Number 1=A101418DKR-ND, Voltage Rating=125V, Circuit Application=Signal, Connector System=Flex-to-Board, Connector Type=Connector,Receptacle,Socket, Contact Material=Bronze, Contact Plating=Gold, Current Rating=1A, Depth=4.6mm, ELV=Compliant, Gender=Receptacle, Height=7.7mm, Housing Material=Thermoplastic, Length=22.4mm, Mating Alignment="Yes (With)", Mount="Surface Mount", Number of Contacts=15, Number of Positions=15, Number of Rows=1, Orientation=Straight, Packaging="Tape and Reel", Part Description="15 Position FPC Connector Contacts, Vertical, 1 Sided 0.039\" (1.00mm) Surface Mount", PCB Mount Alignment="No (Without)", PCB Mount Retention=With, Pitch=1mm, Pricing 1="1=1.03, 10=0.909, 25=0.8556, 50=0.82, 100=0.7843, 250=0.713, 500=0.6417 (USD)", REACH SVHC=Unknown, Sealable="No (Without)", Shielding=Unshielded, Shrouded="Yes (With)", Stock 1=11808, Supplier 1=Digi-Key, Termination=SMD/SMT, Width=4.6mm, Wire/Cable Type="Flat Flex"
J18 J19 J27 J43 J53: library part Jumper, Color=Black, Manufacturer=3M, Manufacturer Part Number 1=961102-6404-AR, Supplier Part Number 1=3M9447-ND, Category="Connectors, Interconnects", Connector Type="Header, Unshrouded", Contact Finish=Gold, Contact Type="Male Pin", Mounting Type="Through Hole", Part Description="2 Positions Header, Unshrouded Connector 0.100\" (2.54mm) Through Hole Gold", Supplier 1=Digi-Key
  J18 J19 J27 J43: Assembly Info=NF
J20 J24 J55 J56: library part "Header 2X1 LOCK", Manufacturer=Molex, Manufacturer Part Number=22-11-2026, Supplier Part Number 1=WM19460-ND, ComponentLink1Description=https://datasheet.ciiva.com/5156/022045042-sd-206842-5156139.pdf?src-supplier=Mouser, ComponentLink1URL=https://datasheet.ciiva.com/5156/022045042-sd-206842-5156139.pdf?src-supplier=Mouser, ComponentLink2Description=https://datasheet.ciiva.com/30212/022232051-sd-30212109.pdf?src-supplier=Onlinecomponents.com, ComponentLink2URL=https://datasheet.ciiva.com/30212/022232051-sd-30212109.pdf?src-supplier=Onlinecomponents.com, Manufacturer 1=Molex, Manufacturer Part Number 1=22-11-2026, Part Description="Connector Header Through Hole 2 position 0.100\" (2.54mm)", RoHS=Yes, Stock 1=0, Supplier 1=Digi-Key
  J20: Assembly Info=NF